# Altium PCB Axiom_Gamma_LSB.PcbDoc (part 1 of 4)
Units mm, origin at the board's own origin, x right, y up, seen from the top; angles counter-clockwise.
Board outline 111 x 121 mm, 4 copper layers (Component Side, Signal Layer, Ground Plane, Solder Side), stack 0.844 mm thick; 55 components, 86 nets, 485 pads, 241 vias.
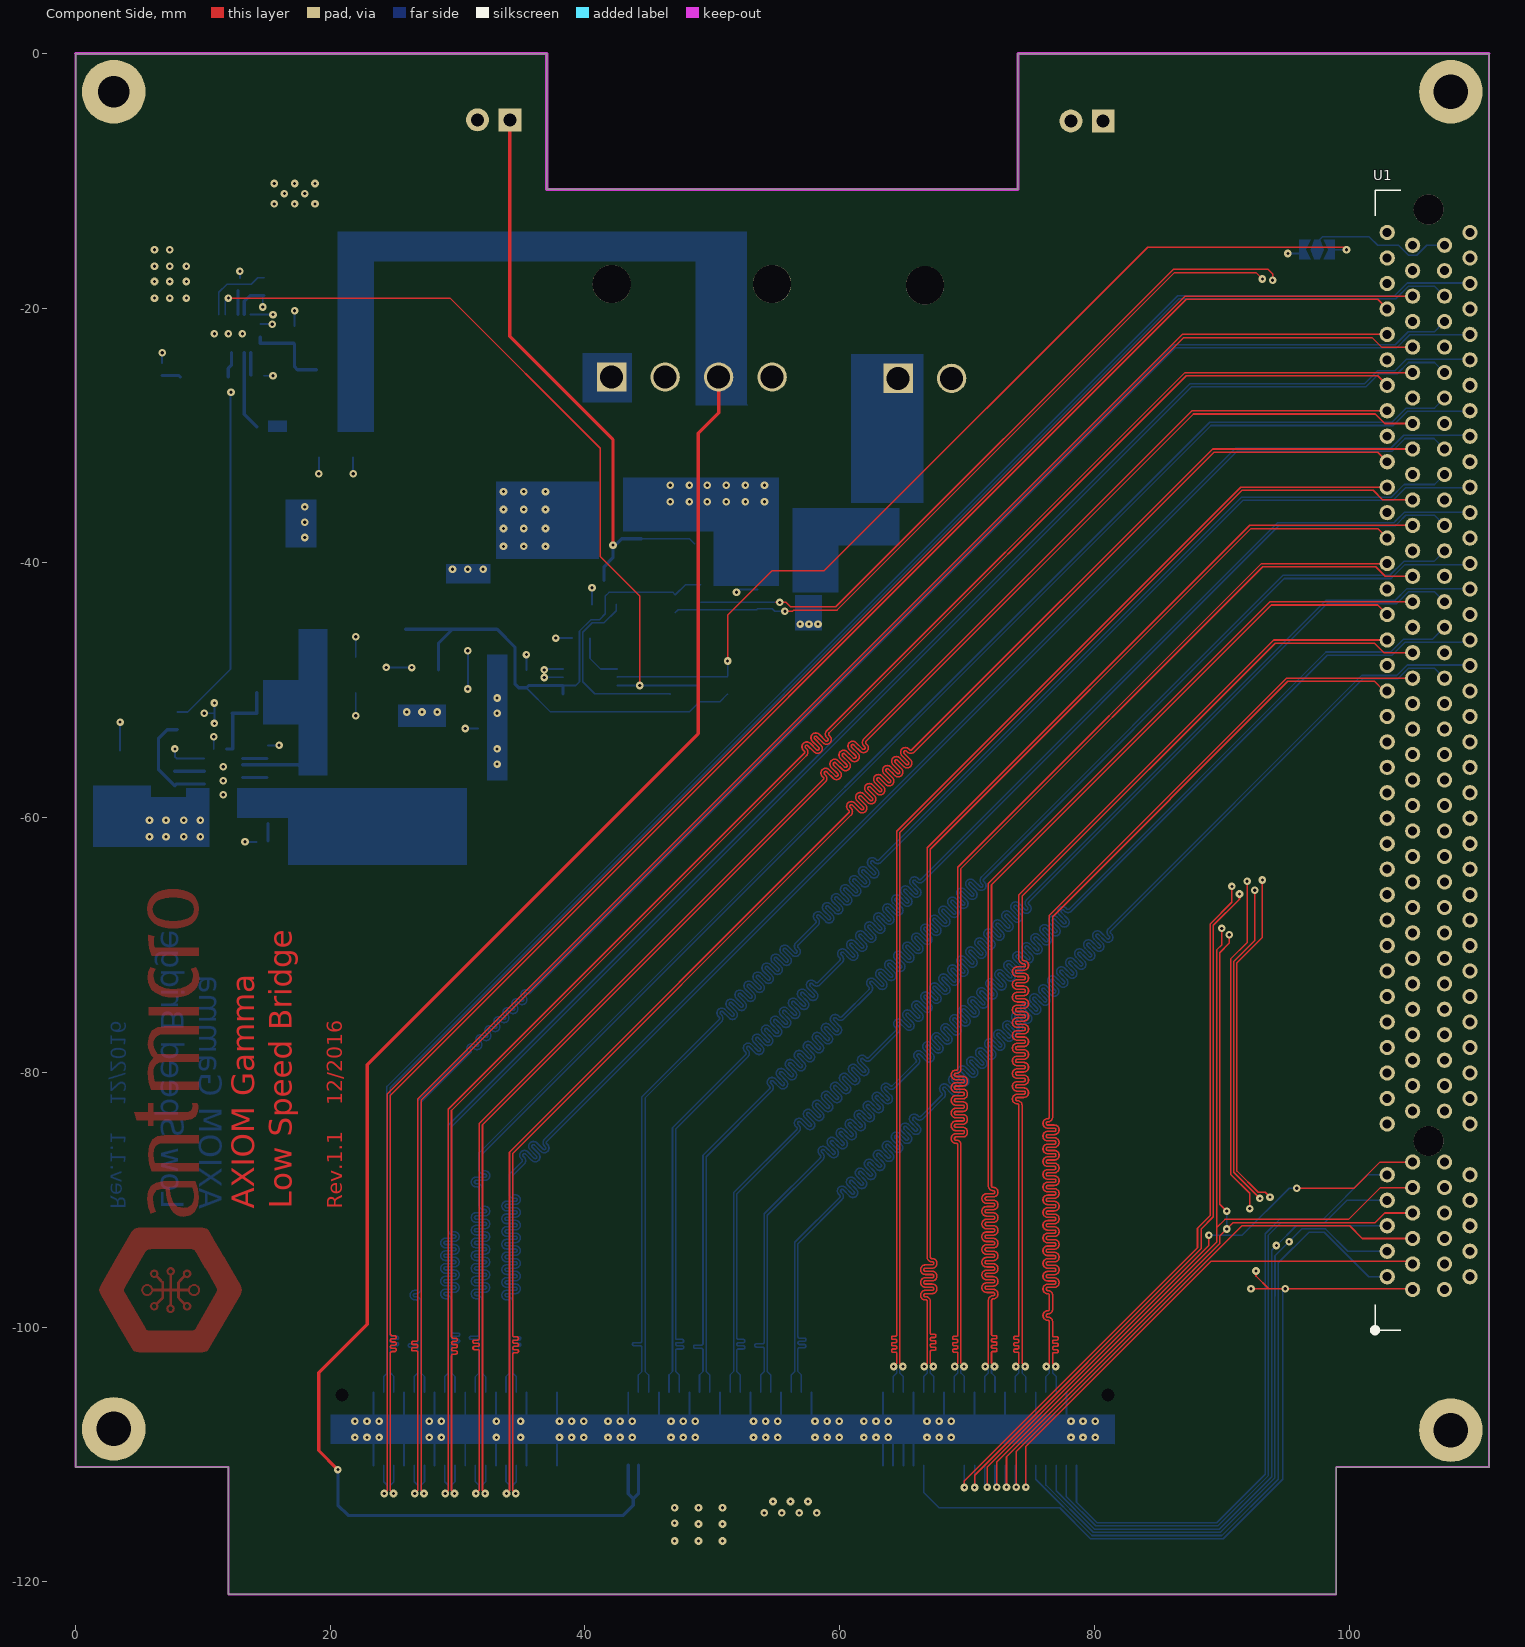
[diagram p0: Component Side view]
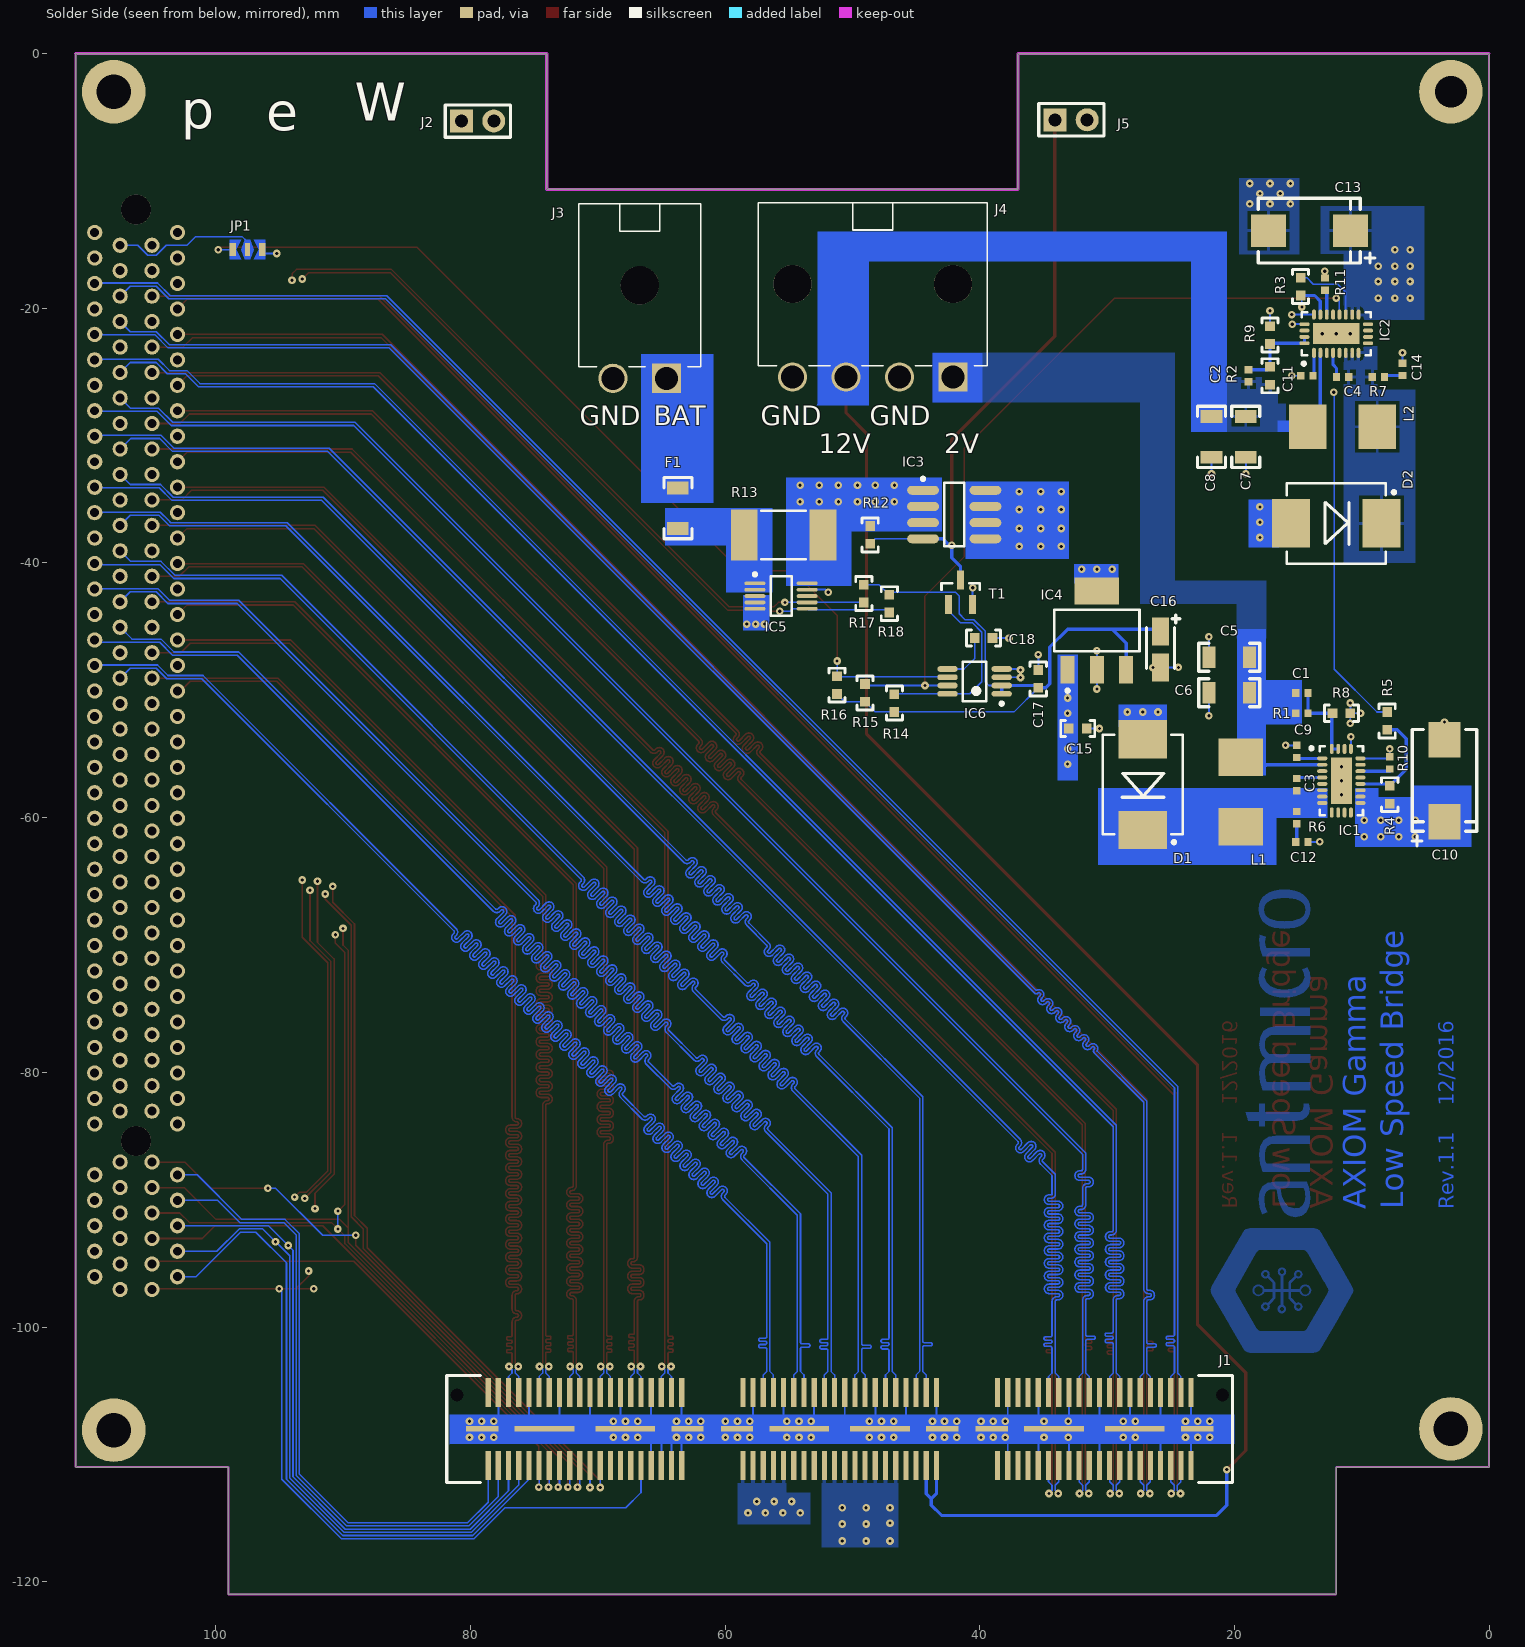
[diagram p1: Solder Side view, seen from below]
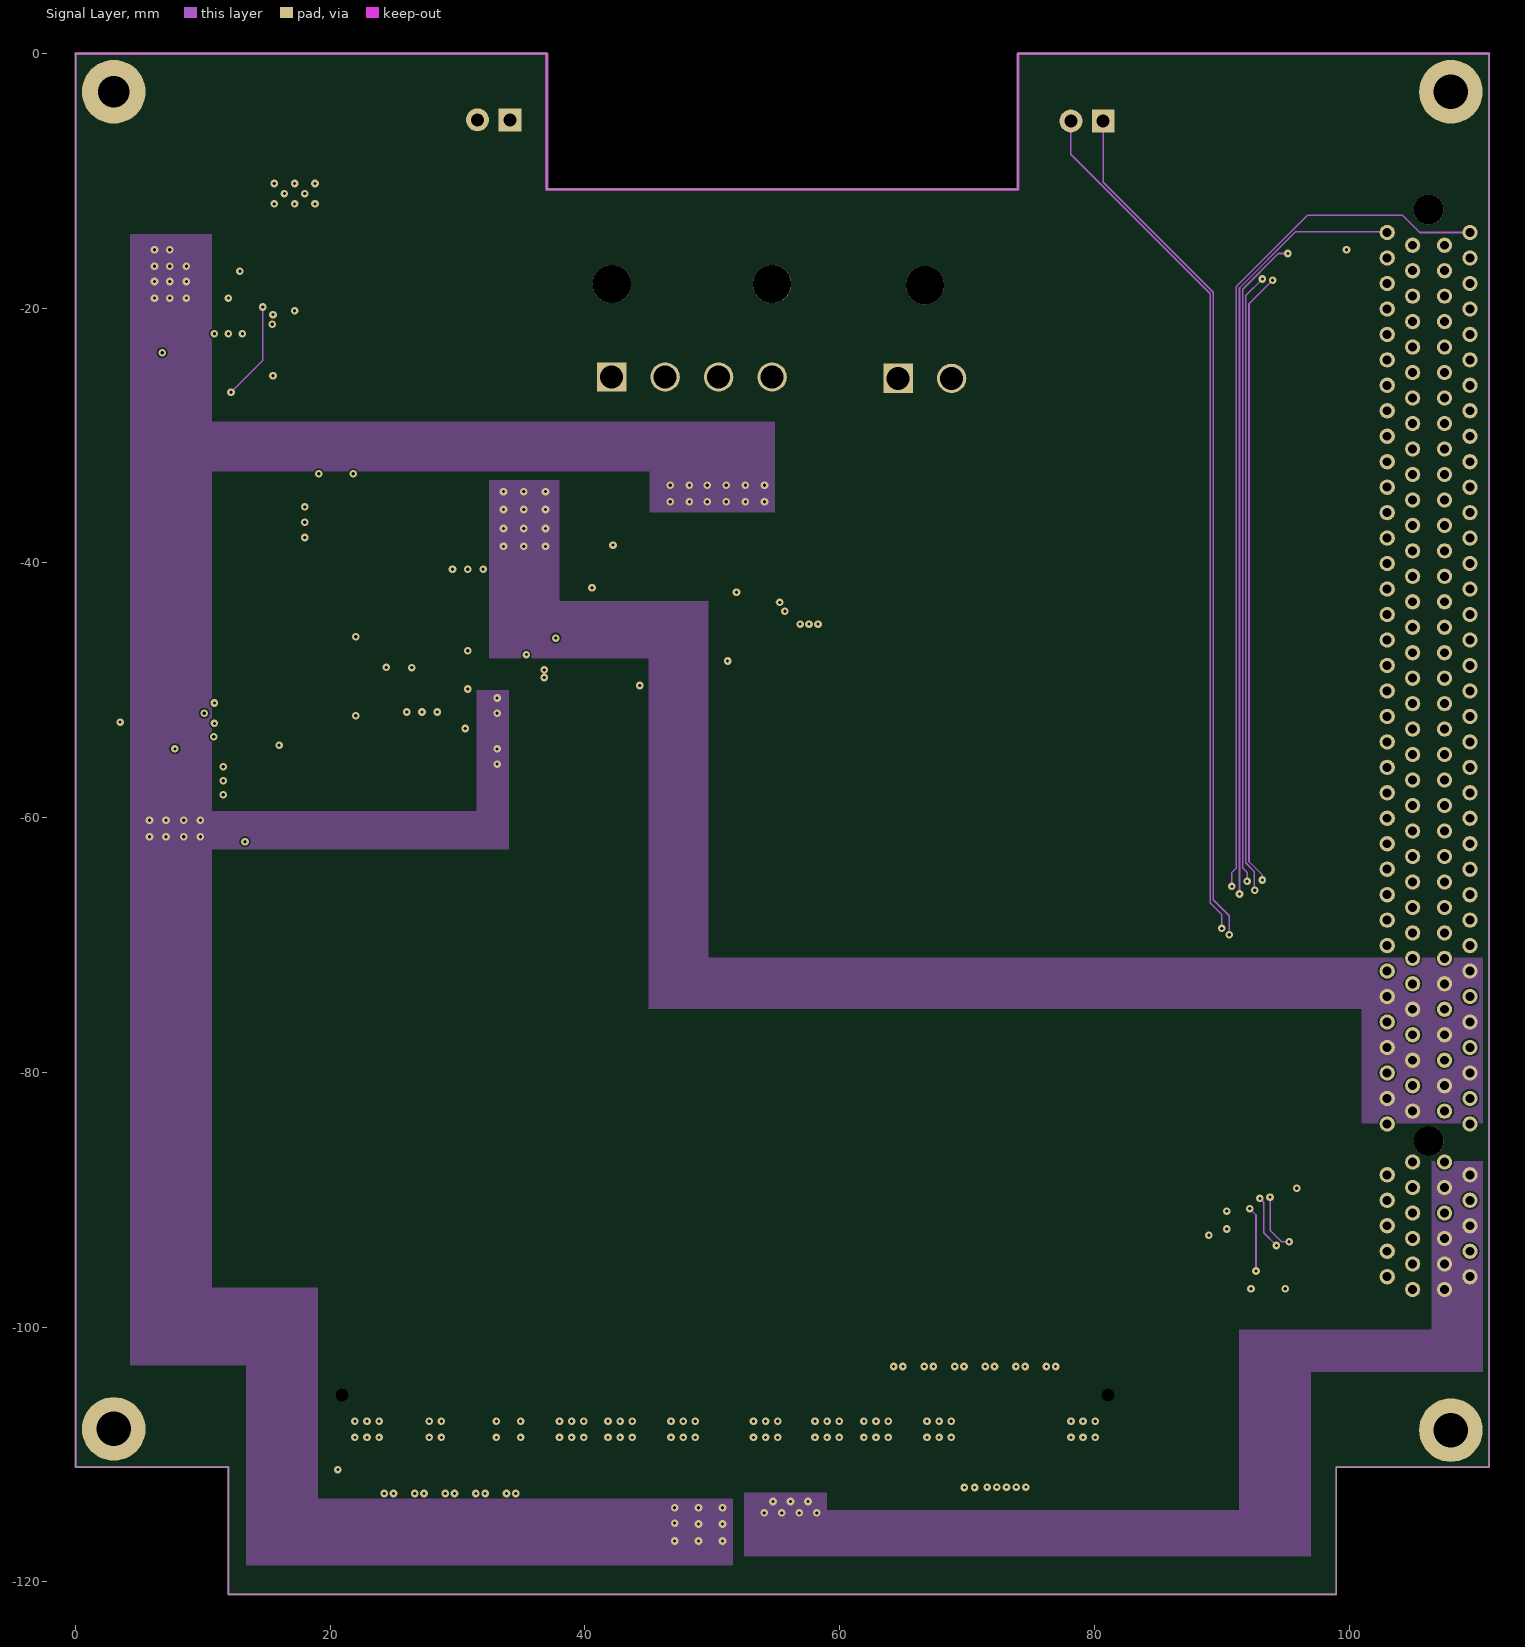
[diagram p2: Signal Layer]
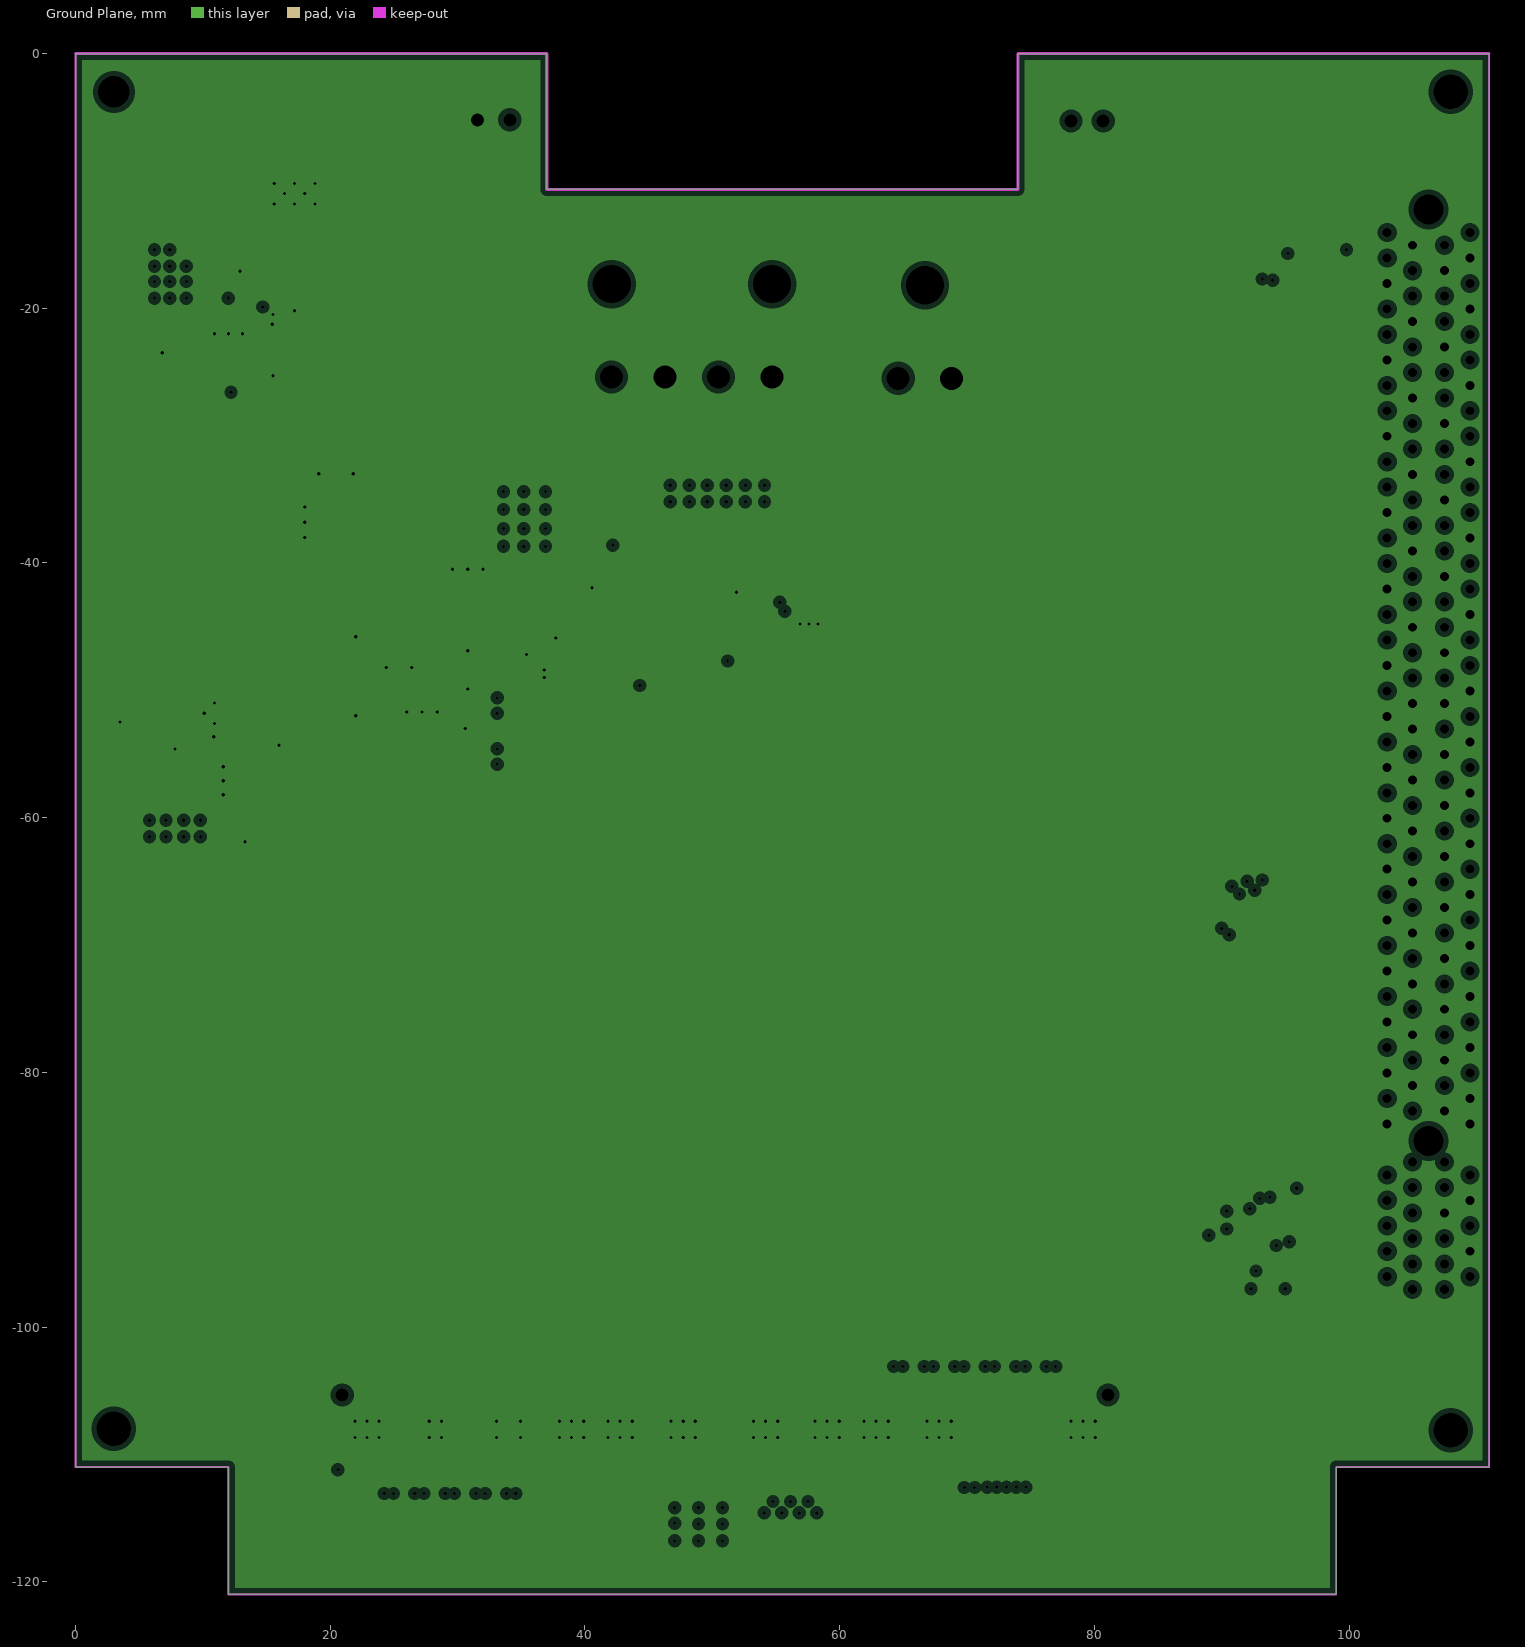
[diagram p3: Ground Plane, clearances drawn from the general rule]
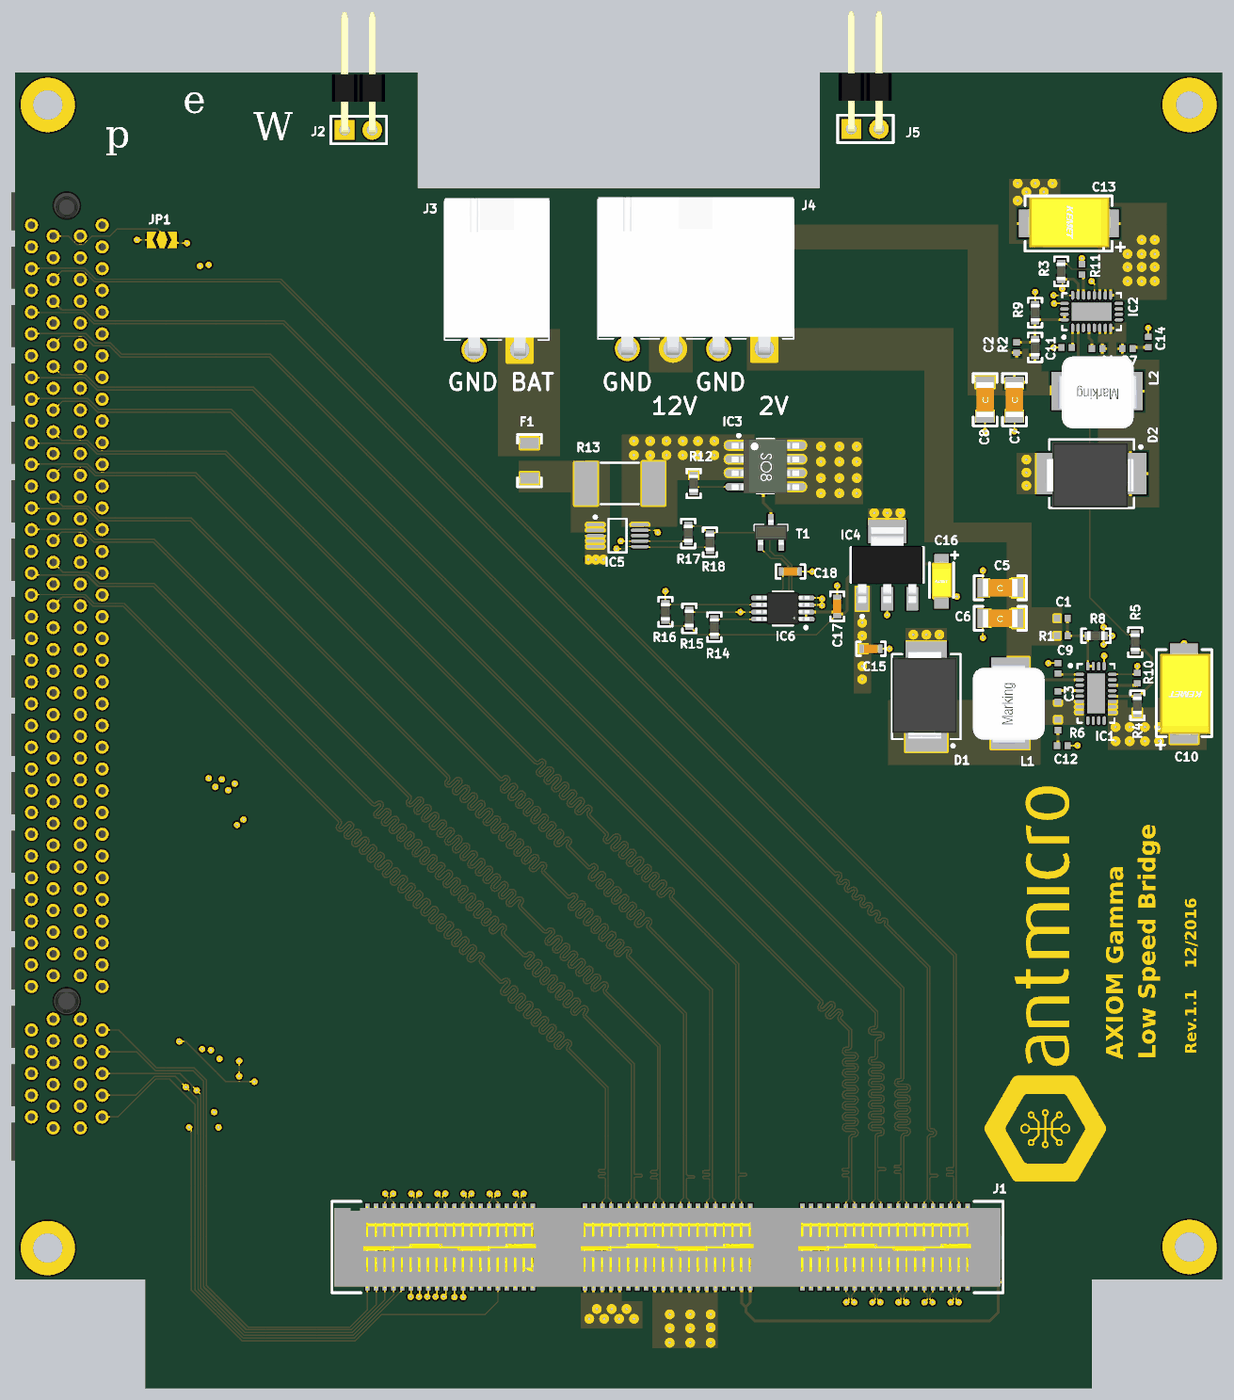
[diagram p7: 3D render of the assembled board from below, using the file's embedded part models]

## Layer stack, top to bottom
Top Solder: solder mask 0.0102, Solder Resist, Dk 3.5
Component Side: signal copper 0.0356
Dielectric 1: core 0.32, FR-4, Dk 4.8
Signal Layer: signal copper 0.036
Dielectric 5: prepreg 0.127, Dk 4.2
Ground Plane: plane copper 0.036, net GND
Dielectric 3: core 0.254, Dk 4.2
Solder Side: signal copper 0.0356
Bottom Solder: solder mask 0.0102, Solder Resist, Dk 3.5

## Board outline
0,-111 12,-111 12,-121 99,-121 99,-111 111,-111 111,-0.004 110.998,-0.002 74,-0.002 74,-10.67 37,-10.67 37,0 0,0

## Design rules (kind name [scope] priority, off if disabled: settings)
Clearance DiffPair_Clearance [All] p1 off: gap=0.635
Clearance Clearance-xPP-xTP-xTT [All] p2: gap=0.125
ComponentClearance [All] p1: gap=0.25 collisioncheckmode=3 verticalgap=0.25 showdistances=FALSE
DiffPairsRouting [All] p1: maxlimit=0.25 minlimit=0.125 mostfreqgap=0.125 toplayer_minwidth=0.125 toplayer_maxwidth=0.125 toplayer_prefwidth=0.125 midlayer1_minwidth=0.125 midlayer1_maxwidth=0.125 midlayer1_prefwidth=0.125 bottomlayer_minwidth=0.125 bottomlayer_maxwidth=0.125 bottomlayer_prefwidth=0.125 maxuncoupledlength=12.5
Height [All] p1: minheight=0 maxheight=25 prefheight=12.5
HoleSize HoleSize-PTH [All] p1: absolutevalues=TRUE maxlimit=28 minlimit=0.25 maxpercent=80.000 minpercent=20.000
HoleToHoleClearance [All] p1: gap=0.15 allowstackedmicrovias=TRUE
MinimumAnnularRing [All] p1: minimumring=0.1
MinimumSolderMaskSliver [All] p1: minsoldermaskwidth=0.05
PlaneClearance PlaneClearance-IPI [All] p1: clearance=0.4
PlaneConnect [All] p1: planeconnectstyle=Direct reliefexpansion=0.4 reliefentries=4 reliefconductorwidth=0.2 reliefairgap=0.2
PolygonConnect "PolygonConnect VCC_BACKPLANE" [isVia] p1: connectstyle=Direct reliefconductorwidth=0.4 reliefentries=4 polygonreliefangle="90 Angle" airgapwidth=0.254
PolygonConnect "PolygonConnect V_BATT" [OnLayer('Signal Layer')] p2: connectstyle=Direct reliefconductorwidth=0.254 reliefentries=4 polygonreliefangle="90 Angle" airgapwidth=0.254
PolygonConnect PolygonConnect-xTW [All] p3: connectstyle=Relief reliefconductorwidth=0.254 reliefentries=4 polygonreliefangle="90 Angle" airgapwidth=0.254
RoutingCorners [All] p1: cornerstyle=45-Degree minsetback=2.5 maxsetback=2.5
RoutingVias [All] p1: holewidth=0.25 width=0.6 viastyle="Through Hole" minholewidth=0.25 minwidth=0.6 maxholewidth=0.25 maxwidth=0.6
SilkToSilkClearance [All] p1: silktosilkclearance=0.1
SilkToSolderMaskClearance SilkscreenOverComponentPads [IsPad] p1: minsilkscreentomaskgap=0.05 clearancetoexposedcopper=TRUE
SolderMaskExpansion SolderMaskExpansionVias [isVia] p1: expansion=-0.6
SolderMaskExpansion [All] p2: expansion=0.15
Width Width-xTW [All] p1: maxlimit=1.5 minlimit=0.125 preferedwidth=0.125 minimp=50.000000 maximp=50.000000 favimp=50.000000
18 further rules are at their usual default settings.

## Classes and differential pairs
net class LSIOM_LVDS: HSIOM2_LVDS_0_N HSIOM2_LVDS_0_P HSIOM2_LVDS_1_N HSIOM2_LVDS_1_P HSIOM2_LVDS_2_N HSIOM2_LVDS_2_P HSIOM2_LVDS_3_N HSIOM2_LVDS_3_P HSIOM2_LVDS_4_SSCLK_N HSIOM2_LVDS_4_SSCLK_P HSIOM2_LVDS_5_N HSIOM2_LVDS_5_P HSIOM2_LVDS_6_N HSIOM2_LVDS_6_P HSIOM2_LVDS_7_N HSIOM2_LVDS_7_P HSIOM2_LVDS_8_N HSIOM2_LVDS_8_P HSIOM2_LVDS_9_N HSIOM2_LVDS_9_P HSIOM2_LVDS_SSCLK_N HSIOM2_LVDS_SSCLK_P LSIOM_LVDS_0_N LSIOM_LVDS_0_P LSIOM_LVDS_1_N LSIOM_LVDS_1_P LSIOM_LVDS_2_N LSIOM_LVDS_2_P LSIOM_LVDS_3_N LSIOM_LVDS_3_P LSIOM_LVDS_4_SSCLK_N LSIOM_LVDS_4_SSCLK_P LSIOM_LVDS_5_N LSIOM_LVDS_5_P LSIOM_LVDS_6_N LSIOM_LVDS_6_P LSIOM_LVDS_7_N LSIOM_LVDS_7_P LSIOM_LVDS_8_N LSIOM_LVDS_8_P LSIOM_LVDS_SSCLK_N LSIOM_LVDS_SSCLK_P
component class BackplaneConnector: J1 J2 JP1 U1
component class Supply: C1 C2 C3 C4 C5 C6 C7 C8 C9 C10 C11 C12 C13 C14 C15 C16 C17 C18 D1 D2 F1 IC1 IC2 IC3 IC4 IC5 IC6 J3 J4 J5 L1 L2 R1 R2 R3 R4 R5 R6 R7 R8 R9 R10 R11 R12 R13 R14 R15 R16 R17 R18 T1
differential pair LSIOM_LVDS_4_SSCLK: +LSIOM_LVDS_4_SSCLK_P -LSIOM_LVDS_4_SSCLK_N
differential pair LSIOM_LVDS_3: +LSIOM_LVDS_3_P -LSIOM_LVDS_3_N
differential pair LSIOM_LVDS_2: +LSIOM_LVDS_2_P -LSIOM_LVDS_2_N
differential pair LSIOM_LVDS_1: +LSIOM_LVDS_1_P -LSIOM_LVDS_1_N
differential pair HSIOM2_LVDS_SSCLK: +HSIOM2_LVDS_SSCLK_P -HSIOM2_LVDS_SSCLK_N
differential pair HSIOM2_LVDS_9: +HSIOM2_LVDS_9_P -HSIOM2_LVDS_9_N
differential pair HSIOM2_LVDS_8: +HSIOM2_LVDS_8_P -HSIOM2_LVDS_8_N
differential pair HSIOM2_LVDS_7: +HSIOM2_LVDS_7_P -HSIOM2_LVDS_7_N
differential pair HSIOM2_LVDS_6: +HSIOM2_LVDS_6_P -HSIOM2_LVDS_6_N
differential pair HSIOM2_LVDS_5: +HSIOM2_LVDS_5_P -HSIOM2_LVDS_5_N
differential pair HSIOM2_LVDS_0: +HSIOM2_LVDS_0_P -HSIOM2_LVDS_0_N
differential pair LSIOM_LVDS_SSCLK: +LSIOM_LVDS_SSCLK_P -LSIOM_LVDS_SSCLK_N
differential pair LSIOM_LVDS_9: +LSIOM_LVDS_9_P -LSIOM_LVDS_9_N
differential pair LSIOM_LVDS_8: +LSIOM_LVDS_8_P -LSIOM_LVDS_8_N
differential pair LSIOM_LVDS_7: +LSIOM_LVDS_7_P -LSIOM_LVDS_7_N
differential pair LSIOM_LVDS_6: +LSIOM_LVDS_6_P -LSIOM_LVDS_6_N
differential pair LSIOM_LVDS_5: +LSIOM_LVDS_5_P -LSIOM_LVDS_5_N
differential pair LSIOM_LVDS_0: +LSIOM_LVDS_0_P -LSIOM_LVDS_0_N
differential pair HSIOM2_LVDS_1: +HSIOM2_LVDS_1_P -HSIOM2_LVDS_1_N
differential pair HSIOM2_LVDS_2: +HSIOM2_LVDS_2_P -HSIOM2_LVDS_2_N
differential pair HSIOM2_LVDS_3: +HSIOM2_LVDS_3_P -HSIOM2_LVDS_3_N
differential pair HSIOM2_LVDS_4_SSCLK: +HSIOM2_LVDS_4_SSCLK_P -HSIOM2_LVDS_4_SSCLK_N

## Components (designator, comment, footprint, x,y, rotation, side; value= is the part's Value field where it differs from the comment)
C1 "10p" 0402 14.7,-50.2 r180 bottom
C2 "10p" 0402 18.9,-25.3 r90 bottom
C3 "470n/16V" 0402 15.1,-57.4 r90 bottom
C4 "470n/16V" 0402 11.5,-25.4 r0 bottom
C5 "47u/6.3V" 1206#1 20.4,-47.4 r180 bottom
C6 "47u/6.3V" 1206#1 20.4,-50.2 r180 bottom
C7 "47u/16V" 1206#1 19.1,-30.1 r90 bottom
C8 "47u/16V" 1206#1 21.8,-30.1 r90 bottom
C9 "10n" 0402 15.1,-54.8 r270 bottom
C10 "22u/50V" KEMET_X 3.5,-57.1 r90 bottom
C11 "10n" 0402 14.3,-25.3 r180 bottom
C12 "470p" 0402 14.7,-61.9 r0 bottom
C13 "22u/50V" KEMET_X 14.1,-13.9 r0 bottom
C14 "470p" 0402 6.8,-24.8 r270 bottom
C15 "100n" 0603 32.3,-53 r180 bottom
C16 "10u" KEMET_A 25.8,-46.8 r90 bottom
C17 "100n" 0603 35.4,-49.1 r270 bottom
C18 "10u" 0603 39.7,-45.9 r180 bottom
D1 "MBRS540T3G" SMC-403-03 27.2,-57.4 r270 bottom
D2 "MBRS540T3G" SMC-403-03 12,-36.9 r180 bottom
F1 "MC12CF" 1206#2 63.7,-34.1 r270 bottom
IC1 "LT3976IUDD" QFN-24_3x5mm 11.6,-57.1 r180 bottom
IC2 "LT3976IUDD" QFN-24_3x5mm 12,-22 r90 bottom
IC3 "SI4401BDY-T1-E3" SOIC-SN8_M 42,-36.2 r180 bottom
IC4 "LM2936" SOT223 30.8,-45.3 r180 bottom
IC5 "LTC4151" MSOP10 55.6,-42.6 r180 bottom
IC6 "LM3881" MSOP-8 40.4,-49.3 r0 bottom
J1 "QSE-060-01-L-D-A" QSE-060-01-L-D-A 51,-108 r180 bottom
J2 "1x2 pinhead 2.54mm male" "HEADER_1X2_male 2.54mm Angle" 80.7,-5.3 r180 bottom
J3 "649002127222" WE_649002127222 66.7,-25.5 r0 bottom
J4 "649004127222" WE_649004127222 48.4,-25.4 r0 bottom
J5 "1x2 pinhead 2.54mm male" "HEADER_1X2_male 2.54mm Angle" 34.1,-5.2 r180 bottom
JP1 "Solder jumper" JUMPER_2WAY 97.5,-15.4 r180 bottom
L1 "74437346033" WE-LHMI 19.5,-58 r90 bottom
L2 "74437346068" WE-LHMI 11.5,-29.3 r0 bottom
R1 "680k" 0402 14.7,-51.8 r0 bottom
R2 "1M" 0603 17.2,-25.3 r90 bottom
R3 "100k" 0603 14.8,-18.3 r90 bottom
R4 "100k" 0603 7.8,-58.2 r270 bottom
R5 "0R" 0603 8,-52.4 r270 bottom
R6 "2R" 0402 15.1,-60 r90 bottom
R7 "2R" 0402 8.7,-25.4 r0 bottom
R8 "1M" 0603 11.6,-51.8 r180 bottom
R9 "110k" 0603 17.2,-22.1 r270 bottom
R10 "294k" 0402 7.8,-55.7 r270 bottom
R11 "54k9" 0402 12.9,-18.107 r270 bottom
R12 "100k" 0603 48.6,-37.8 r90 bottom
R13 "0R02" 2512 55.4,-37.8 r180 bottom
R14 "100k" 0603 46.7,-51 r270 bottom
R15 "100k" 0603 49,-50.2 r270 bottom
R16 "100k" 0603 51.2,-49.6 r270 bottom
R17 "2k" 0603 49.1,-42.4 r90 bottom
R18 "2k" 0603 47.1,-43.2 r90 bottom
T1 "BSS138AKA" SOT-23 41.5,-42.3 r90 bottom
U1 "10018783-10113TLF" 10018783-10113TLF 106.25,-55.5 r90 top locked

## Footprints (in the part's own frame and the unit in brackets; to place one, negate y for a bottom-side part, rotate by r counter-clockwise, add the part's x,y. Pads: shape width x height; smd on the part's side, far side on the other; paste and mask are expansions set on the pad)
0402 [mm]
  rect 0.57x0.62 smd: 1(-0.48,0) 2(0.48,0)
  body extent -0.55,-0.3 0.55,0.3, height 0.5
0603 [mil]
  rect 30x30 smd: 1(-27.5,0) 2(27.5,0)
  silkscreen extent -53,-25 52,25, body extent -30,-15 30,15, height 31
1206#1 [mm]
  rect 1.016x1.7 smd: 1(-1.6,0) 2(1.6,0)
  silkscreen extent -2.4,-1.1 2.4,1.1, body extent -2.1,-0.89 2.1,0.91, height 0.95
1206#2 [mm]
  rect 1.016x1.7 smd: 1(0,0) 2(3.2,0)
  silkscreen extent -0.8,-1.1 4,1.1
2512 [mm] "Chip Resistor, 2-Leads, Body 6,45x3,35mm, IPC Medium Density"
  rect 2.1x4 smd: 1(-3.1,0) 2(3.1,0)
  silkscreen extent -1.75,-1.9 1.75,1.9, body extent -3.32,-1.77 3.33,1.78, height 0.9
10018783-10113TLF [mm]
  round 1.2 hole 0.7: A1(-41.55,1.25) A2(-40.55,3.25) A3(-39.55,1.25) A4(-38.55,3.25) A5(-37.55,1.25) A6(-36.55,3.25) A7(-35.55,1.25) A8(-34.55,3.25) A9(-33.55,1.25) A10(-32.55,3.25) A11(-31.55,1.25) A12(-28.55,3.25) A13(-27.55,1.25) A14(-26.55,3.25) A15(-25.55,1.25) A16(-24.55,3.25) A17(-23.55,1.25) A18(-22.55,3.25) A19(-21.55,1.25) A20(-20.55,3.25) A21(-19.55,1.25) A22(-18.55,3.25) A23(-17.55,1.25) A24(-16.55,3.25) A25(-15.55,1.25) A26(-14.55,3.25) A27(-13.55,1.25) A28(-12.55,3.25) A29(-11.55,1.25) A30(-10.55,3.25) A31(-9.55,1.25) A32(-8.55,3.25) A33(-7.55,1.25) A34(-6.55,3.25) A35(-5.55,1.25) A36(-4.55,3.25) A37(-3.55,1.25) A38(-2.55,3.25) A39(-1.55,1.25) A40(-0.55,3.25) A41(0.45,1.25) A42(1.45,3.25) A43(2.45,1.25) A44(3.45,3.25) A45(4.45,1.25) A46(5.45,3.25) A47(6.45,1.25) A48(7.45,3.25) A49(8.45,1.25) A50(9.45,3.25) A51(10.45,1.25) A52(11.45,3.25) A53(12.45,1.25) A54(13.45,3.25) A55(14.45,1.25) A56(15.45,3.25) A57(16.45,1.25) A58(17.45,3.25) A59(18.45,1.25) A60(19.45,3.25) A61(20.45,1.25) A62(21.45,3.25) A63(22.45,1.25) A64(23.45,3.25) A65(24.45,1.25) A66(25.45,3.25) A67(26.45,1.25) A68(27.45,3.25) A69(28.45,1.25) A70(29.45,3.25) A71(30.45,1.25) A72(31.45,3.25) A73(32.45,1.25) A74(33.45,3.25) A75(34.45,1.25) A76(35.45,3.25) A77(36.45,1.25) A78(37.45,3.25) A79(38.45,1.25) A80(39.45,3.25) A81(40.45,1.25) A82(41.45,3.25) B1(-41.55,-1.25) B2(-40.55,-3.25) B3(-39.55,-1.25) B4(-38.55,-3.25) B5(-37.55,-1.25) B6(-36.55,-3.25) B7(-35.55,-1.25) B8(-34.55,-3.25) B9(-33.55,-1.25) B10(-32.55,-3.25) B11(-31.55,-1.25) B12(-28.55,-3.25) B13(-27.55,-1.25) B14(-26.55,-3.25) B15(-25.55,-1.25) B16(-24.55,-3.25) B17(-23.55,-1.25) B18(-22.55,-3.25) B19(-21.55,-1.25) B20(-20.55,-3.25) B21(-19.55,-1.25) B22(-18.55,-3.25) B23(-17.55,-1.25) B24(-16.55,-3.25) B25(-15.55,-1.25) B26(-14.55,-3.25) B27(-13.55,-1.25) B28(-12.55,-3.25) B29(-11.55,-1.25) B30(-10.55,-3.25) B31(-9.55,-1.25) B32(-8.55,-3.25) B33(-7.55,-1.25) B34(-6.55,-3.25) B35(-5.55,-1.25) B36(-4.55,-3.25) B37(-3.55,-1.25) B38(-2.55,-3.25) B39(-1.55,-1.25) B40(-0.55,-3.25) B41(0.45,-1.25) B42(1.45,-3.25) B43(2.45,-1.25) B44(3.45,-3.25) B45(4.45,-1.25) B46(5.45,-3.25) B47(6.45,-1.25) B48(7.45,-3.25) B49(8.45,-1.25) B50(9.45,-3.25) B51(10.45,-1.25) B52(11.45,-3.25) B53(12.45,-1.25) B54(13.45,-3.25) B55(14.45,-1.25) B56(15.45,-3.25) B57(16.45,-1.25) B58(17.45,-3.25) B59(18.45,-1.25) B60(19.45,-3.25) B61(20.45,-1.25) B62(21.45,-3.25) B63(22.45,-1.25) B64(23.45,-3.25) B65(24.45,-1.25) B66(25.45,-3.25) B67(26.45,-1.25) B68(27.45,-3.25) B69(28.45,-1.25) B70(29.45,-3.25) B71(30.45,-1.25) B72(31.45,-3.25) B73(32.45,-1.25) B74(33.45,-3.25) B75(34.45,-1.25) B76(35.45,-3.25) B77(36.45,-1.25) B78(37.45,-3.25) B79(38.45,-1.25) B80(39.45,-3.25) B81(40.45,-1.25) B82(41.45,-3.25)